# KiCad board panel.kicad_pcb (continued)
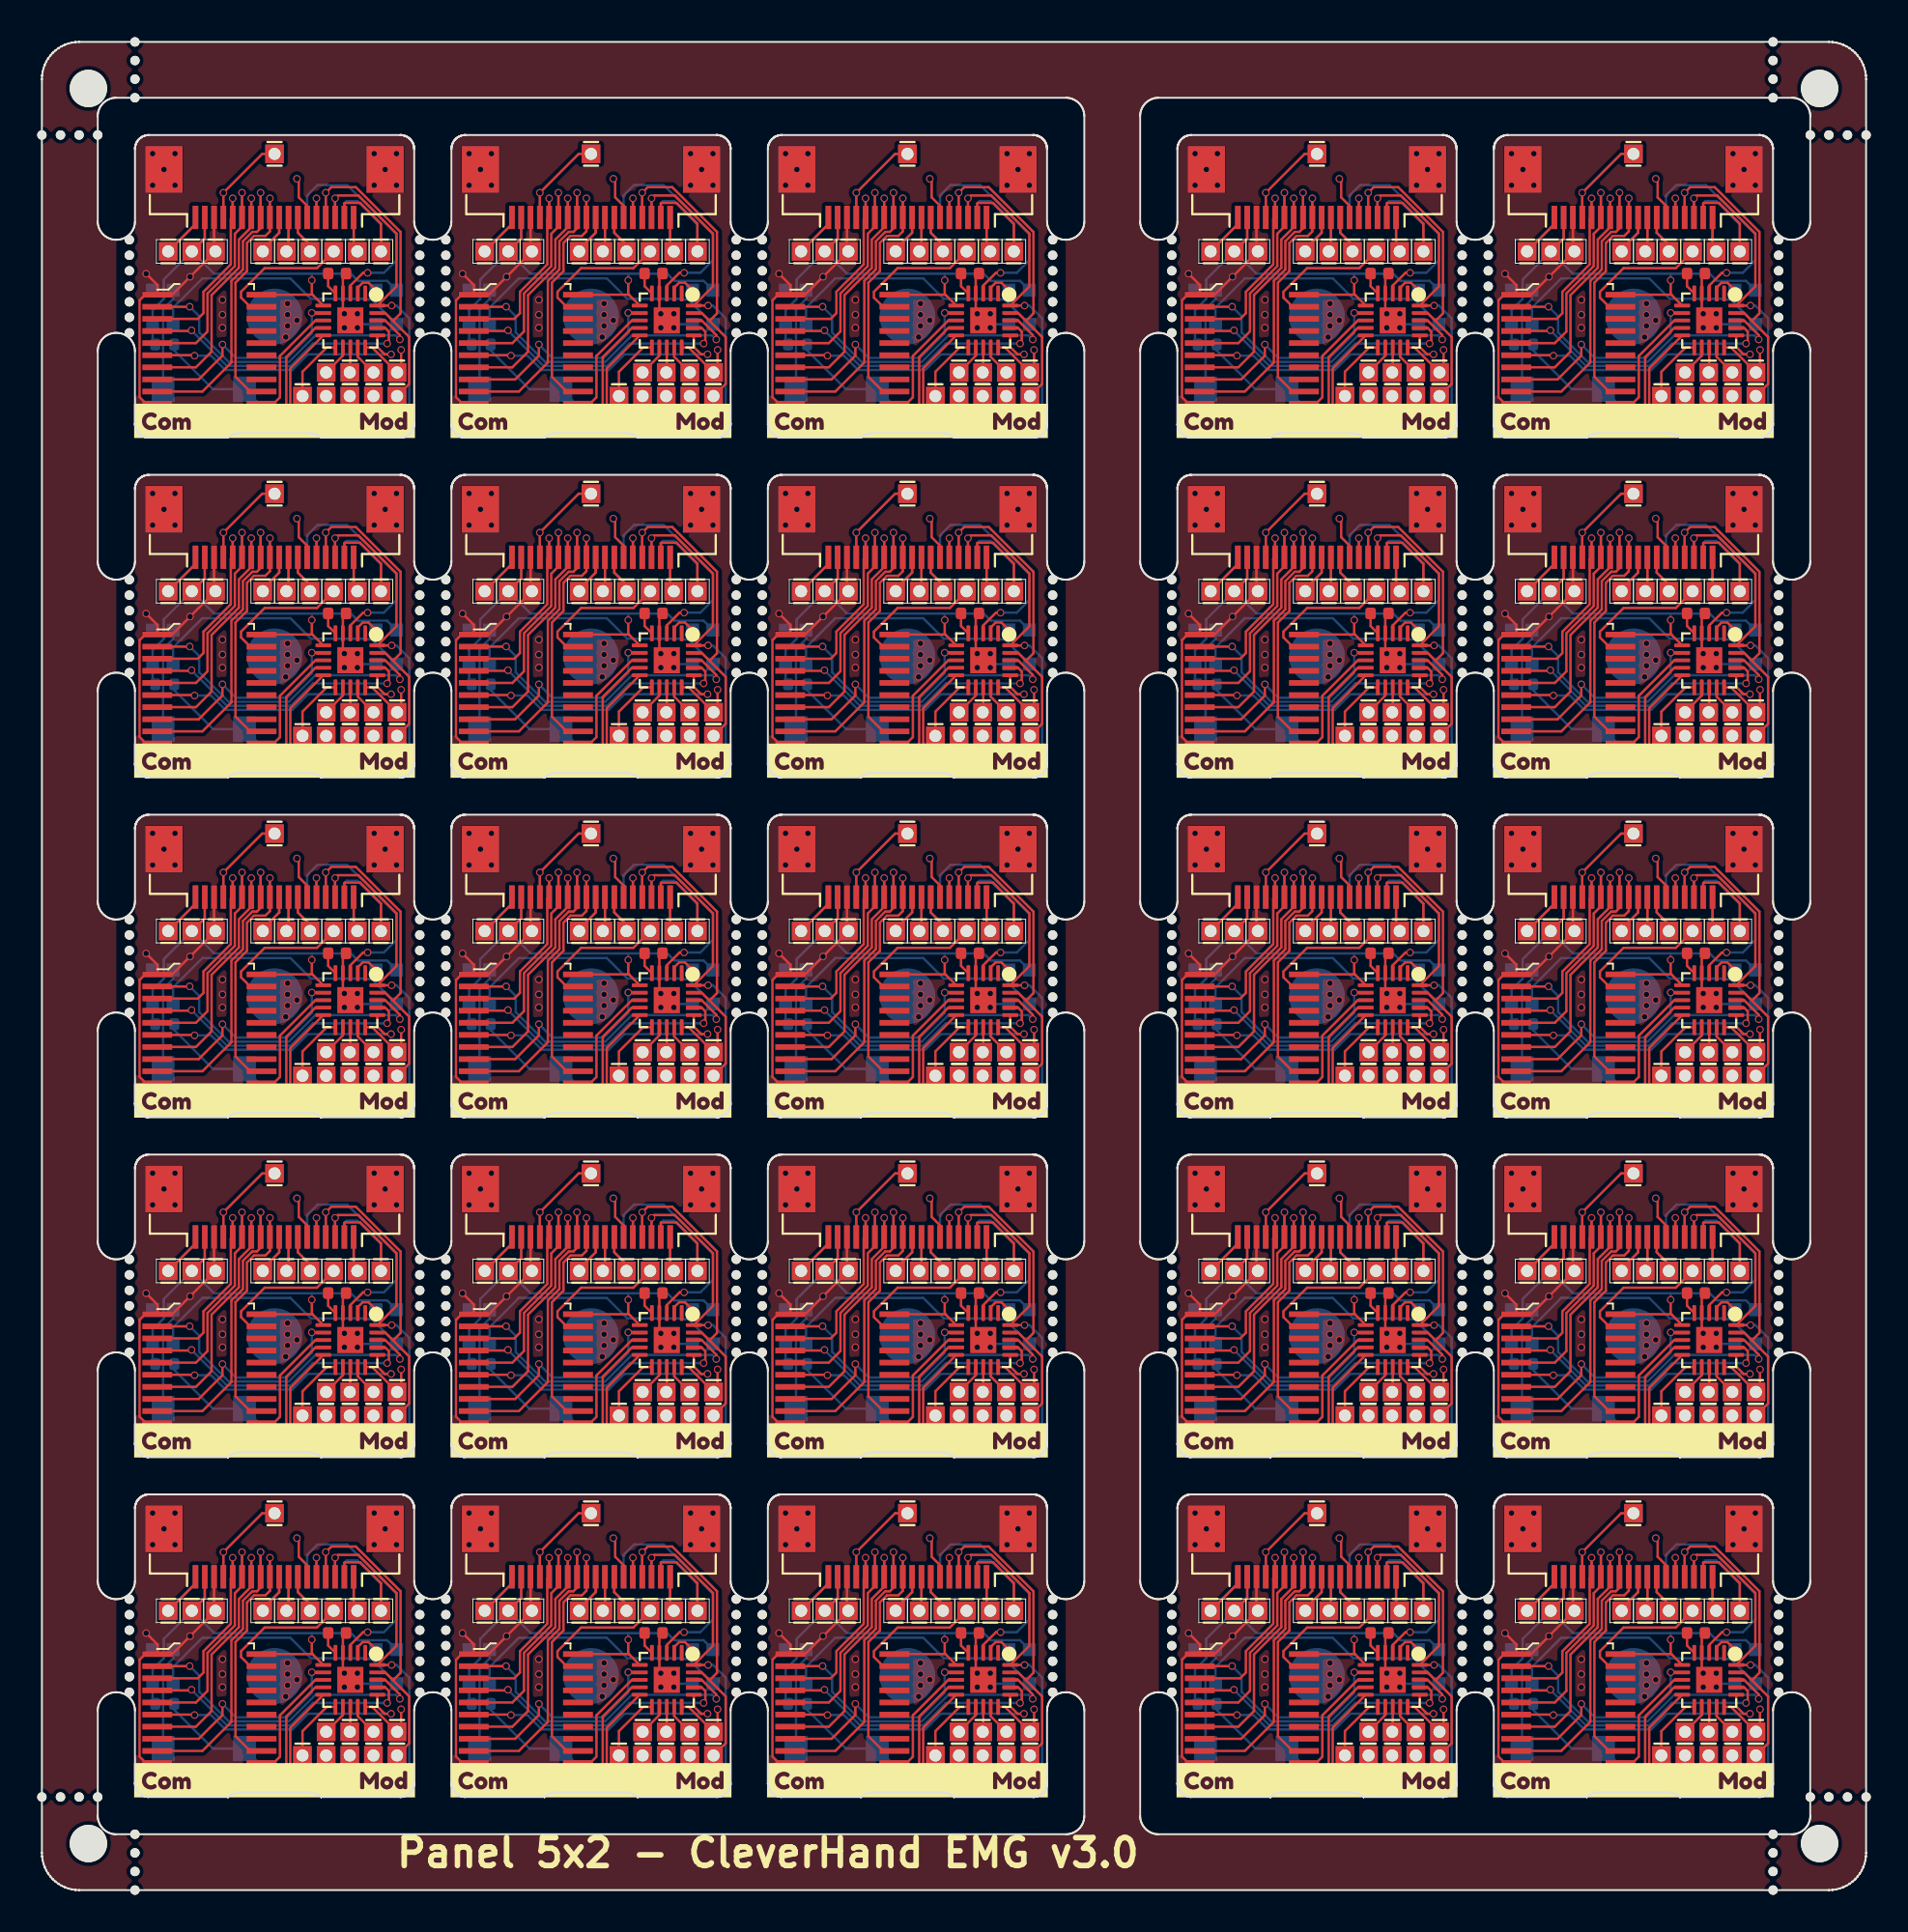
[diagram p0: board, top side]
## Routing (per net, layer and track width the routed paths; a pad name or vN(x,y) marks a point on that pad's centre or on a via; arc(x,y) is an arc through that point) (continued)
Board_5-/AUX2: length 9.4
  Front w0.127: J10#16.2 16.25,72.33 16.28,72.35 17.1,72.35 18.21,71.24 J20#3.1
  Back w0.127: J10#16.2 16.25,72.33 16.37,72.45 16.96,72.45 18.21,71.19 J20#3.1
Board_5-/AUX3: length 6.3
  Front w0.127: J3#16.1 11.84,74.99 v1(9.75,72.9) J10#16.15
  Back w0.127: v1(9.75,72.9) J10#16.15
Board_5-/CSB: length 7.5
  Front w0.127: J8#7.1 14.77,68.85 11.97,68.85 10.7,67.58 10.7,67.27 11.19,66.78 U2#5.19
Board_5-/extRef: length 3.8
  Front w0.127: J10#16.1 16.75,69.95 J9#11.1
  Back w0.127: J10#16.1 16.75,69.95 J9#11.1
Board_5-/GPIO: length 16.9
  Front w0.127: J21#6.1 14.62,61.33 13.36,61.33 13.35,61.34 13.35,63.47 U1#18.10
  Back w0.127: J21#6.1 14.62,61.33 11.91,61.33 SW1#6.1 9.19,62.35 7.11,64.43 R1#12.2
Board_5-/i2C_SCL: length 19.6
  Front w0.127: J10#16.3 v1(15.75,72.6) 15.9,72.75 17.01,72.75 19.05,70.71 19.05,67.87 U1#18.20 v1(18.79,66.84)
  Back w0.127: v1(15.75,72.6) J10#16.3 ; J16#2.1 18.46,61.33 19.73,61.33 19.73,66.16 19.05,66.84 v1(18.79,66.84)
Board_5-/I2C_SDA: length 18.4
  Front w0.127: U1#18.19 18.44,66.44 18.87,66.02 ; 18.87,66.02 19.27,66.42 19.27,70.8 16.86,73.2 15.55,73.2 v1(15.25,72.9) J10#16.4 ; 18.87,66.02 19.73,65.15 19.73,62.63 J17#10.1
  Back w0.127: v1(15.25,72.9) J10#16.4
Board_5-/IO1_in: length 12.2
  Front w0.127: U1#18.3 16.57,67.92 17.25,68.6 v1(17.5,68.6)
  Back w0.127: J4#2.13 14.25,72.75 14.81,73.31 16.4,73.31 19.05,70.66 19.05,69.28 18.37,68.6 v1(17.5,68.6)
Board_5-/IO1_out: length 19.7
  Front w0.127: v1(19.3,64.46) 19.3,63.47 J11#15.1 17.74,64.59 U1#18.15 ; v1(13.7,73.65) 13.8,73.55 13.8,72.65 14.25,72.2 J10#16.6
  In2.Cu w0.127: v1(13.7,73.65) 13.9,73.85 16.65,73.85 19.64,70.86 19.64,64.8 v1(19.3,64.46)
Board_5-/IO2: length 2.1
  Front w0.127: v1(14.75,72.6) J10#16.5
  Back w0.127: J10#16.5 v1(14.75,72.6)
Board_5-/LED_IN: length 1.6
  Front w0.127: U1#18.2 16.97,67.8 17.23,68.07 17.55,68.07 v1(17.95,67.67)
Board_5-/MISO: length 4.4
  Front w0.127: J10#16.9 12.75,70.75 11.87,69.87 J5#10.1
  Back w0.127: J10#16.9 12.75,70.75 11.87,69.87 J5#10.1
Board_5-/MOSI: length 3.7
  Front w0.127: J10#16.8 13.25,69.87 J6#18.1
  Back w0.127: J6#18.1 13.25,69.87 J10#16.8
Board_5-/MOSI_ARM: length 1.4
  Front w0.127: U1#18.13 16.57,63.28 J13#2.1
Board_5-/SCLK: length 4.2
  Front w0.127: J10#16.7 13.75,70.75 14.41,70.1 J7#24.1
  Back w0.127: J10#16.7 13.75,70.75 14.41,70.1 J7#24.1
Board_5-/SCLK_ARM: length 1.7
  Front w0.127: U1#18.12 16.17,64.15 J14#18.1
Board_5-/SPICS_ARM: length 9.3
  Front w0.127: J15#8.1 15.67,61.11 13.27,61.11 13.13,61.25 13.13,64.07 14.69,65.64 U1#18.9
Board_5-/SWDIO/MISO_ARM: length 1.7
  Front w0.127: U1#18.14 16.97,64.09 J12#24.1
Board_5-/Vcap: length 1.2
  Front w0.127: C1#7.2 15.38,67.88 U1#18.5
Board_5-GND: length 27.5
  Front w0.127: J10#16.16 9.25,69.83 J2.1 v1(7.96,68.39) 7,67.43 U2#5.1 ; U2#5.1 5.55,67.43 5.25,67.12 5.25,61.92 5.59,61.58 U2#5.10 ; U2#5.1 6.2,67.95 v1(5.6,68.55) ; U1#18.21 16.25,66.36 v1(16.25,66.4) 16.21,66.4 16.17,66.44 U1#18.4 16.17,68.39 C1#7.1
  Back w0.127: v1(7.96,68.39) 7.24,67.67 LED2#22.2 7.05,67.19 6.51,66.65 SW1#6.2 ; LED1#17.2 17.13,65.84 v1(16.95,65.65) 16.76,65.84 16.66,65.84 ; J2.1 9.25,69.83 J10#16.16
  vias: v1(5.95,75) v1(5.95,73.3) v1(6.56,74.15) v1(7.15,75) v1(7.15,73.3) v1(9.7,67.15) v1(9.7,66.35) v1(9.7,65.65) v1(13.1,65.15) v1(13.2,66.95) v1(13.2,66.35) v1(13.2,65.75) v1(13.7,66.05) v1(16.25,65.65) v1(16.95,66.4) v1(17.85,75) v1(17.85,73.3) v1(18.44,74.15) v1(19.05,75) v1(19.05,73.3)
Board_5-Net-(LED1-DO): length 14.6
  Back w0.127: LED2#22.3 7.05,66.73 8.62,68.3 13.35,68.3 14.45,67.2 17.45,67.2 17.48,67.16 17.72,67.16 LED1#17.1
Board_6-+3.3V: length 26.7
  Front w0.127: J10#20.17 25.75,70.45 J1#19.1 ; U2#18.20 31.53,67.43 31.55,67.41 ; 31.55,67.41 31.5,67.46 v1(31.5,68.2) ; 31.55,67.41 U1#2.6
  Back w0.127: J1#19.1 26.25,68.55 31.5,68.55 ; J1#19.1 25.75,70.45 J10#20.17 ; J1#19.1 23.55,68.24 23.55,67.2 22.95,66.6 LED2#16.4 22.95,64.89 R1#22.1 ; 31.5,68.55 33.6,68.55 33.98,68.17 35.55,68.17 LED1#20.4 ; 31.5,68.55 v1(31.5,68.2)
Board_6-/addr_bus_0: length 10.5
  Front w0.127: U2#18.3 25.37,66.13 25.68,66.43 25.68,67.58 27.15,69.05 27.15,71.48 J10#20.14 v1(27.25,72.6)
  Back w0.127: J10#20.14 v1(27.25,72.6)
Board_6-/addr_bus_1: length 12.5
  Front w0.127: U2#18.5 25.27,64.83 25.9,65.45 25.9,67.49 27.37,68.96 27.37,70.7 27.75,71.08 J10#20.13 v1(27.75,72.9)
  Back w0.127: J10#20.13 v1(27.75,72.9)
Board_6-/addr_bus_2: length 13.4
  Front w0.127: v1(28.25,72.6) J10#20.12 28.25,71.05 27.58,70.38 27.58,68.87 26.12,67.4 26.12,64.37 25.27,63.53 U2#18.7
  Back w0.127: J10#20.12 v1(28.25,72.6)
Board_6-/addr_bus_3: length 15.9
  Front w0.127: v1(28.75,72.9) J10#20.11 28.75,70.99 28.55,70.8 28.3,70.8 27.8,70.29 27.8,68.78 27.18,68.16 27.18,63.78 25.62,62.23 U2#18.9
  Back w0.127: J10#20.11 v1(28.75,72.9)
Board_6-/addr_bus_4: length 13.5
  Front w0.127: U2#18.12 28.19,62.23 27.4,63.02 27.4,68.07 28.02,68.69 28.02,70.2 28.39,70.58 29.01,70.58 29.25,70.82 J10#20.10 v1(29.25,72.6)
  Back w0.127: J10#20.10 v1(29.25,72.6)
Board_6-/addr_mod_0: length 17.2
  Front w0.127: U1#2.18 35.44,66.04 36.23,65.26 v1(36.23,65.02) ; U2#18.2 24.93,66.78 v1(24.94,66.78)
  Back w0.127: v1(24.94,66.78) 25.45,66.27 25.45,65.4 27.04,63.81 30.27,63.81 31.69,65.24 36.01,65.24 v1(36.23,65.02)
Board_6-/addr_mod_1: length 15
  Front w0.127: v1(25.04,65.51) 25,65.48 U2#18.4 ; U1#2.17 35.44,65.64 35.64,65.45 35.64,64.95 35.55,64.86 v1(35.55,64.8)
  Back w0.127: v1(25.04,65.51) 25.04,65.5 26.95,63.6 30.36,63.6 31.56,64.8 v1(35.55,64.8)
Board_6-/addr_mod_2: length 14.8
  Front w0.127: U2#18.6 25.17,64.18 v1(25.2,64.15) ; U1#2.16 35.02,64.62 35.42,64.22 v1(35.76,64.22)
  Back w0.127: v1(35.76,64.22) 31.29,64.22 30.45,63.38 26.86,63.38 26.09,64.15 v1(25.2,64.15)
Board_6-/addr_mod_3: length 12
  Front w0.127: U2#18.8 25.42,62.88 26.7,64.15 v1(26.7,64.75) ; U1#2.7 31.69,66.44 31.68,66.45 v1(31.5,66.45)
  Back w0.127: v1(26.7,64.75) 27.42,64.03 30.18,64.03 31.5,65.35 v1(31.5,66.45)
Board_6-/addr_mod_4: length 6.5
  Front w0.127: U2#18.11 29.45,61.58 29.79,61.92 29.79,64.14 31.69,66.04 U1#2.8
Board_6-/AIN0: length 3.6
  Front w0.127: J18#16.1 31,63.29 32.3,64.59 U1#2.11
Board_6-/AUX1: length 4.9
  Front w0.127: J10#20.18 25.25,71.22 J19#21.1
  Back w0.127: J19#21.1 25.25,71.22 J10#20.18
Board_6-/AUX2: length 9.4
  Front w0.127: J10#20.2 33.25,72.33 33.28,72.35 34.1,72.35 35.22,71.24 J20#13.1
  Back w0.127: J20#13.1 35.22,71.19 33.96,72.45 33.37,72.45 33.25,72.33 J10#20.2
Board_6-/AUX3: length 6.3
  Front w0.127: J10#20.15 v1(26.75,72.9) 28.84,74.99 J3#13.1
  Back w0.127: v1(26.75,72.9) J10#20.15
Board_6-/CSB: length 7.5
  Front w0.127: J8#8.1 31.77,68.85 28.97,68.85 27.7,67.58 27.7,67.27 28.19,66.78 U2#18.19
Board_6-/extRef: length 3.8
  Front w0.127: J10#20.1 33.75,69.95 J9#10.1
  Back w0.127: J9#10.1 33.75,69.95 J10#20.1
Board_6-/GPIO: length 16.9
  Front w0.127: U1#2.10 30.35,63.47 30.35,61.34 30.36,61.33 31.62,61.33 J21#24.1
  Back w0.127: R1#22.2 24.11,64.43 26.19,62.35 SW1#5.1 28.91,61.33 31.62,61.33 J21#24.1
Board_6-/i2C_SCL: length 19.6
  Front w0.127: v1(35.79,66.84) U1#2.20 36.05,67.87 36.05,70.71 34.01,72.75 32.9,72.75 v1(32.75,72.6) J10#20.3
  Back w0.127: v1(32.75,72.6) J10#20.3 ; J16#6.1 35.46,61.33 36.73,61.33 36.73,66.16 36.05,66.84 v1(35.79,66.84)
Board_6-/I2C_SDA: length 18.4
  Front w0.127: 35.87,66.02 36.73,65.15 36.73,62.63 J17#20.1 ; 35.87,66.02 35.44,66.44 U1#2.19 ; 35.87,66.02 36.27,66.42 36.27,70.8 33.86,73.2 32.55,73.2 v1(32.25,72.9) J10#20.4
  Back w0.127: v1(32.25,72.9) J10#20.4
Board_6-/IO1_in: length 12.2
  Front w0.127: v1(34.5,68.6) 34.25,68.6 33.57,67.92 U1#2.3
  Back w0.127: J4#6.13 31.25,72.75 31.81,73.31 33.4,73.31 36.05,70.66 36.05,69.28 35.37,68.6 v1(34.5,68.6)
Board_6-/IO1_out: length 19.7
  Front w0.127: J10#20.6 31.25,72.2 30.8,72.65 30.8,73.55 v1(30.7,73.65) ; v1(36.3,64.46) 36.3,63.47 J11#23.1 34.74,64.59 U1#2.15
  In2.Cu w0.127: v1(36.3,64.46) 36.64,64.8 36.64,70.86 33.65,73.85 30.9,73.85 v1(30.7,73.65)
Board_6-/IO2: length 2.1
  Front w0.127: v1(31.75,72.6) J10#20.5
  Back w0.127: J10#20.5 v1(31.75,72.6)
Board_6-/LED_IN: length 1.6
  Front w0.127: v1(34.95,67.67) 34.55,68.07 34.23,68.07 33.97,67.8 U1#2.2
Board_6-/MISO: length 4.4
  Front w0.127: J5#22.1 28.86,69.87 29.75,70.75 J10#20.9
  Back w0.127: J10#20.9 29.75,70.75 28.86,69.87 J5#22.1
Board_6-/MOSI: length 3.7
  Front w0.127: J6#25.1 30.25,69.87 J10#20.8
  Back w0.127: J6#25.1 30.25,69.87 J10#20.8
Board_6-/MOSI_ARM: length 1.4
  Front w0.127: J13#14.1 33.57,63.28 U1#2.13
Board_6-/SCLK: length 4.2
  Front w0.127: J10#20.7 30.75,70.75 31.41,70.1 J7#25.1
  Back w0.127: J10#20.7 30.75,70.75 31.41,70.1 J7#25.1
Board_6-/SCLK_ARM: length 1.7
  Front w0.127: U1#2.12 33.17,64.15 J14.1
Board_6-/SPICS_ARM: length 9.3
  Front w0.127: J15#5.1 32.67,61.11 30.27,61.11 30.13,61.25 30.13,64.07 31.69,65.64 U1#2.9
Board_6-/SWDIO/MISO_ARM: length 1.7
  Front w0.127: J12#20.1 33.97,64.09 U1#2.14
Board_6-/Vcap: length 1.2
  Front w0.127: U1#2.5 32.38,67.88 C1#20.2
Board_6-GND: length 27.5
  Front w0.127: C1#20.1 33.17,68.39 U1#2.4 33.17,66.44 33.21,66.4 v1(33.25,66.4) 33.25,66.36 U1#2.21 ; J10#20.16 26.25,69.83 J2#12.1 v1(24.96,68.39) 24,67.43 U2#18.1 ; U2#18.1 22.55,67.43 22.25,67.12 22.25,61.92 22.59,61.58 U2#18.10 ; U2#18.1 23.2,67.95 v1(22.6,68.55)
  Back w0.127: v1(24.96,68.39) 24.24,67.67 LED2#16.2 24.05,67.19 23.51,66.65 SW1#5.2 ; 33.66,65.84 33.76,65.84 v1(33.95,65.65) 34.13,65.84 LED1#20.2 ; J2#12.1 26.25,69.83 J10#20.16
  vias: v1(22.95,75) v1(22.95,73.3) v1(23.56,74.15) v1(24.15,75) v1(24.15,73.3) v1(26.7,67.15) v1(26.7,66.35) v1(26.7,65.65) v1(30.1,65.15) v1(30.2,66.95) v1(30.2,66.35) v1(30.2,65.75) v1(30.7,66.05) v1(33.25,65.65) v1(33.95,66.4) v1(34.85,75) v1(34.85,73.3) v1(35.44,74.15) v1(36.05,75) v1(36.05,73.3)
Board_6-Net-(LED1-DO): length 14.6
  Back w0.127: LED1#20.1 34.72,67.16 34.48,67.16 34.45,67.2 31.45,67.2 30.35,68.3 25.62,68.3 24.05,66.73 LED2#16.3
Board_7-+3.3V: length 26.7
  Front w0.127: J10#13.17 42.75,70.45 J1#20.1 ; 48.55,67.41 48.53,67.43 U2#23.20 ; 48.55,67.41 48.5,67.46 v1(48.5,68.2) ; 48.55,67.41 U1#9.6
  Back w0.127: J10#13.17 42.75,70.45 J1#20.1 ; J1#20.1 43.26,68.55 48.5,68.55 ; J1#20.1 40.55,68.24 40.55,67.2 39.95,66.6 LED2#6.4 39.95,64.89 R1#10.1 ; 48.5,68.55 50.6,68.55 50.98,68.17 52.55,68.17 LED1#4.4 ; 48.5,68.55 v1(48.5,68.2)
Board_7-/addr_bus_0: length 10.5
  Front w0.127: U2#23.3 42.37,66.13 42.68,66.43 42.68,67.58 44.15,69.05 44.15,71.48 J10#13.14 v1(44.25,72.6)
  Back w0.127: J10#13.14 v1(44.25,72.6)
Board_7-/addr_bus_1: length 12.5
  Front w0.127: v1(44.75,72.9) J10#13.13 44.75,71.08 44.37,70.7 44.37,68.96 42.9,67.49 42.9,65.45 42.27,64.83 U2#23.5
  Back w0.127: J10#13.13 v1(44.75,72.9)
Board_7-/addr_bus_2: length 13.4
  Front w0.127: v1(45.25,72.6) J10#13.12 45.25,71.05 44.58,70.38 44.58,68.87 43.12,67.4 43.12,64.37 42.27,63.53 U2#23.7
  Back w0.127: J10#13.12 v1(45.25,72.6)
Board_7-/addr_bus_3: length 15.9
  Front w0.127: v1(45.75,72.9) J10#13.11 45.75,70.99 45.55,70.8 45.3,70.8 44.8,70.29 44.8,68.78 44.18,68.16 44.18,63.78 42.62,62.23 U2#23.9
  Back w0.127: J10#13.11 v1(45.75,72.9)
Board_7-/addr_bus_4: length 13.5
  Front w0.127: U2#23.12 45.19,62.23 44.4,63.02 44.4,68.07 45.02,68.69 45.02,70.2 45.39,70.58 46.01,70.58 46.25,70.82 J10#13.10 v1(46.25,72.6)
  Back w0.127: J10#13.10 v1(46.25,72.6)
Board_7-/addr_mod_0: length 17.2
  Front w0.127: U2#23.2 41.93,66.78 v1(41.94,66.78) ; U1#9.18 52.44,66.04 53.23,65.26 v1(53.23,65.02)
  Back w0.127: v1(41.94,66.78) 42.45,66.27 42.45,65.4 44.04,63.81 47.27,63.81 48.69,65.24 53.01,65.24 v1(53.23,65.02)
Board_7-/addr_mod_1: length 15
  Front w0.127: v1(52.55,64.8) 52.55,64.86 52.64,64.95 52.64,65.45 52.44,65.64 U1#9.17 ; v1(42.04,65.51) 42,65.48 U2#23.4
  Back w0.127: v1(42.04,65.51) 42.04,65.5 43.95,63.6 47.36,63.6 48.56,64.8 v1(52.55,64.8)
Board_7-/addr_mod_2: length 14.8
  Front w0.127: v1(42.2,64.15) 42.17,64.18 U2#23.6 ; v1(52.76,64.22) 52.42,64.22 52.02,64.62 U1#9.16
  Back w0.127: v1(52.76,64.22) 48.29,64.22 47.45,63.38 43.86,63.38 43.09,64.15 v1(42.2,64.15)
Board_7-/addr_mod_3: length 12
  Front w0.127: v1(43.7,64.75) 43.7,64.15 42.42,62.88 U2#23.8 ; v1(48.5,66.45) 48.68,66.45 48.69,66.44 U1#9.7
  Back w0.127: v1(48.5,66.45) 48.5,65.35 47.18,64.03 44.42,64.03 v1(43.7,64.75)
Board_7-/addr_mod_4: length 6.5
  Front w0.127: U1#9.8 48.69,66.04 46.79,64.14 46.79,61.92 46.45,61.58 U2#23.11
Board_7-/AIN0: length 3.6
  Front w0.127: U1#9.11 49.3,64.59 48,63.29 J18.1
Board_7-/AUX1: length 4.9
  Front w0.127: J10#13.18 42.25,71.22 J19#2.1
  Back w0.127: J10#13.18 42.25,71.22 J19#2.1
Board_7-/AUX2: length 9.4
  Front w0.127: J20#12.1 52.22,71.24 51.1,72.35 50.28,72.35 50.25,72.33 J10#13.2
  Back w0.127: J20#12.1 52.22,71.19 50.96,72.45 50.37,72.45 50.25,72.33 J10#13.2
Board_7-/AUX3: length 6.3
  Front w0.127: J3#14.1 45.84,74.99 v1(43.75,72.9) J10#13.15
  Back w0.127: v1(43.75,72.9) J10#13.15
Board_7-/CSB: length 7.5
  Front w0.127: J8#15.1 48.77,68.85 45.97,68.85 44.7,67.58 44.7,67.27 45.19,66.78 U2#23.19
Board_7-/extRef: length 3.8
  Front w0.127: J10#13.1 50.75,69.95 J9#3.1
  Back w0.127: J9#3.1 50.75,69.95 J10#13.1
Board_7-/GPIO: length 16.9
  Front w0.127: U1#9.10 47.35,63.47 47.35,61.34 47.36,61.33 48.62,61.33 J21#13.1
  Back w0.127: R1#10.2 41.11,64.43 43.19,62.35 SW1#24.1 45.91,61.33 48.62,61.33 J21#13.1
Board_7-/i2C_SCL: length 19.6
  Front w0.127: v1(52.79,66.84) U1#9.20 53.05,67.87 53.05,70.71 51.01,72.75 49.9,72.75 v1(49.75,72.6) J10#13.3
  Back w0.127: v1(49.75,72.6) J10#13.3 ; J16#15.1 52.46,61.33 53.73,61.33 53.73,66.16 53.05,66.84 v1(52.79,66.84)
Board_7-/I2C_SDA: length 18.4
  Front w0.127: 52.87,66.02 52.44,66.44 U1#9.19 ; 52.87,66.02 53.27,66.42 53.27,70.8 50.86,73.2 49.55,73.2 v1(49.25,72.9) J10#13.4 ; 52.87,66.02 53.73,65.15 53.73,62.63 J17#14.1
  Back w0.127: v1(49.25,72.9) J10#13.4
Board_7-/IO1_in: length 12.2
  Front w0.127: U1#9.3 50.57,67.92 51.25,68.6 v1(51.5,68.6)
  Back w0.127: J4#15.13 48.25,72.75 48.81,73.31 50.4,73.31 53.05,70.66 53.05,69.28 52.37,68.6 v1(51.5,68.6)
Board_7-/IO1_out: length 19.7
  Front w0.127: J10#13.6 48.25,72.2 47.8,72.65 47.8,73.55 v1(47.7,73.65) ; v1(53.3,64.46) 53.3,63.47 J11#20.1 51.74,64.59 U1#9.15
  In2.Cu w0.127: v1(47.7,73.65) 47.9,73.85 50.65,73.85 53.64,70.86 53.64,64.8 v1(53.3,64.46)
Board_7-/IO2: length 2.1
  Front w0.127: v1(48.75,72.6) J10#13.5
  Back w0.127: J10#13.5 v1(48.75,72.6)
Board_7-/LED_IN: length 1.6
  Front w0.127: v1(51.95,67.67) 51.55,68.07 51.23,68.07 50.97,67.8 U1#9.2
Board_7-/MISO: length 4.4
  Front w0.127: J10#13.9 46.75,70.75 45.87,69.87 J5#2.1
  Back w0.127: J5#2.1 45.87,69.87 46.75,70.75 J10#13.9
Board_7-/MOSI: length 3.7
  Front w0.127: J6#16.1 47.25,69.87 J10#13.8
  Back w0.127: J6#16.1 47.25,69.87 J10#13.8
Board_7-/MOSI_ARM: length 1.4
  Front w0.127: J13#6.1 50.57,63.28 U1#9.13
Board_7-/SCLK: length 4.2
  Front w0.127: J10#13.7 47.75,70.75 48.41,70.1 J7#4.1
  Back w0.127: J10#13.7 47.75,70.75 48.41,70.1 J7#4.1
Board_7-/SCLK_ARM: length 1.7
  Front w0.127: J14#12.1 50.17,64.15 U1#9.12
Board_7-/SPICS_ARM: length 9.3
  Front w0.127: J15#15.1 49.67,61.11 47.27,61.11 47.13,61.25 47.13,64.07 48.69,65.64 U1#9.9
Board_7-/SWDIO/MISO_ARM: length 1.7
  Front w0.127: J12#10.1 50.97,64.09 U1#9.14
Board_7-/Vcap: length 1.2
  Front w0.127: C1#11.2 49.38,67.88 U1#9.5
Board_7-GND: length 27.5
  Front w0.127: U2#23.1 40.2,67.95 v1(39.6,68.55) ; U2#23.1 39.55,67.43 39.25,67.12 39.25,61.92 39.59,61.58 U2#23.10 ; U2#23.1 41,67.43 v1(41.96,68.39) J2#20.1 43.25,69.83 J10#13.16 ; U1#9.21 50.25,66.36 v1(50.25,66.4) 50.21,66.4 50.17,66.44 U1#9.4 50.17,68.39 C1#11.1
  Back w0.127: J10#13.16 43.25,69.83 J2#20.1 ; v1(41.96,68.39) 41.24,67.67 LED2#6.2 41.05,67.19 40.51,66.65 SW1#24.2 ; 50.66,65.84 50.76,65.84 v1(50.95,65.65) 51.13,65.84 LED1#4.2
  vias: v1(39.95,75) v1(39.95,73.3) v1(40.56,74.15) v1(41.15,75) v1(41.15,73.3) v1(43.7,67.15) v1(43.7,66.35) v1(43.7,65.65) v1(47.1,65.15) v1(47.2,66.95) v1(47.2,66.35) v1(47.2,65.75) v1(47.7,66.05) v1(50.25,65.65) v1(50.95,66.4) v1(51.85,75) v1(51.85,73.3) v1(52.44,74.15) v1(53.05,75) v1(53.05,73.3)
Board_7-Net-(LED1-DO): length 14.6
  Back w0.127: LED1#4.1 51.72,67.16 51.48,67.16 51.45,67.2 48.45,67.2 47.35,68.3 42.62,68.3 41.05,66.73 LED2#6.3
Board_8-+3.3V: length 26.7
  Front w0.127: J10#5.17 64.75,70.45 J1#2.1 ; U1#15.6 70.55,67.41 ; 70.55,67.41 70.5,67.46 v1(70.5,68.2) ; 70.55,67.41 70.53,67.43 U2#25.20
  Back w0.127: J1#2.1 64.75,70.45 J10#5.17 ; J1#2.1 65.25,68.55 70.5,68.55 ; J1#2.1 62.55,68.24 62.55,67.2 61.95,66.6 LED2#13.4 61.95,64.89 R1#2.1 ; 70.5,68.55 v1(70.5,68.2) ; 70.5,68.55 72.6,68.55 72.98,68.17 74.55,68.17 LED1#16.4
Board_8-/addr_bus_0: length 10.5
  Front w0.127: U2#25.3 64.37,66.13 64.68,66.43 64.68,67.58 66.15,69.05 66.15,71.48 J10#5.14 v1(66.25,72.6)
  Back w0.127: J10#5.14 v1(66.25,72.6)
Board_8-/addr_bus_1: length 12.5
  Front w0.127: v1(66.75,72.9) J10#5.13 66.75,71.08 66.37,70.7 66.37,68.96 64.9,67.49 64.9,65.45 64.27,64.83 U2#25.5
  Back w0.127: J10#5.13 v1(66.75,72.9)
Board_8-/addr_bus_2: length 13.4
  Front w0.127: U2#25.7 64.27,63.53 65.12,64.37 65.12,67.4 66.58,68.87 66.58,70.38 67.25,71.05 J10#5.12 v1(67.25,72.6)
  Back w0.127: J10#5.12 v1(67.25,72.6)
Board_8-/addr_bus_3: length 15.9
  Front w0.127: U2#25.9 64.62,62.23 66.18,63.78 66.18,68.16 66.8,68.78 66.8,70.29 67.3,70.8 67.55,70.8 67.75,70.99 J10#5.11 v1(67.75,72.9)
  Back w0.127: J10#5.11 v1(67.75,72.9)
Board_8-/addr_bus_4: length 13.5
  Front w0.127: v1(68.25,72.6) J10#5.10 68.25,70.82 68.01,70.58 67.39,70.58 67.02,70.2 67.02,68.69 66.4,68.07 66.4,63.02 67.19,62.23 U2#25.12
  Back w0.127: J10#5.10 v1(68.25,72.6)
Board_8-/addr_mod_0: length 17.2
  Front w0.127: v1(75.23,65.02) 75.23,65.26 74.44,66.04 U1#15.18 ; v1(63.94,66.78) 63.93,66.78 U2#25.2
  Back w0.127: v1(75.23,65.02) 75.01,65.24 70.69,65.24 69.27,63.81 66.04,63.81 64.45,65.4 64.45,66.27 v1(63.94,66.78)
Board_8-/addr_mod_1: length 15
  Front w0.127: U1#15.17 74.44,65.64 74.64,65.45 74.64,64.95 74.55,64.86 v1(74.55,64.8) ; v1(64.04,65.51) 64,65.48 U2#25.4
  Back w0.127: v1(74.55,64.8) 70.56,64.8 69.36,63.6 65.95,63.6 64.04,65.5 v1(64.04,65.51)
Board_8-/addr_mod_2: length 14.8
  Front w0.127: U1#15.16 74.02,64.62 74.42,64.22 v1(74.76,64.22) ; v1(64.2,64.15) 64.17,64.18 U2#25.6
  Back w0.127: v1(64.2,64.15) 65.09,64.15 65.86,63.38 69.45,63.38 70.29,64.22 v1(74.76,64.22)
Board_8-/addr_mod_3: length 12
  Front w0.127: U1#15.7 70.69,66.44 70.68,66.45 v1(70.5,66.45) ; U2#25.8 64.42,62.88 65.7,64.15 v1(65.7,64.75)
  Back w0.127: v1(65.7,64.75) 66.42,64.03 69.18,64.03 70.5,65.35 v1(70.5,66.45)
Board_8-/addr_mod_4: length 6.5
  Front w0.127: U2#25.11 68.45,61.58 68.79,61.92 68.79,64.14 70.69,66.04 U1#15.8
Board_8-/AIN0: length 3.6
  Front w0.127: J18#19.1 70,63.29 71.3,64.59 U1#15.11
Board_8-/AUX1: length 4.9
  Front w0.127: J10#5.18 64.25,71.22 J19#6.1
  Back w0.127: J19#6.1 64.25,71.22 J10#5.18
Board_8-/AUX2: length 9.4
  Front w0.127: J10#5.2 72.25,72.33 72.28,72.35 73.1,72.35 74.22,71.24 J20#15.1
  Back w0.127: J10#5.2 72.25,72.33 72.37,72.45 72.96,72.45 74.22,71.19 J20#15.1
Board_8-/AUX3: length 6.3
  Front w0.127: J10#5.15 v1(65.75,72.9) 67.84,74.99 J3#20.1
  Back w0.127: v1(65.75,72.9) J10#5.15
Board_8-/CSB: length 7.5
  Front w0.127: U2#25.19 67.19,66.78 66.7,67.27 66.7,67.58 67.97,68.85 70.78,68.85 J8#9.1
Board_8-/extRef: length 3.8
  Front w0.127: J9.1 72.75,69.95 J10#5.1
  Back w0.127: J9.1 72.75,69.95 J10#5.1
Board_8-/GPIO: length 16.9
  Front w0.127: J21#22.1 70.62,61.33 69.36,61.33 69.35,61.34 69.35,63.47 U1#15.10
  Back w0.127: R1#2.2 63.11,64.43 65.19,62.35 SW1#10.1 67.91,61.33 70.62,61.33 J21#22.1
Board_8-/i2C_SCL: length 19.6
  Front w0.127: v1(74.79,66.84) U1#15.20 75.05,67.87 75.05,70.71 73.01,72.75 71.9,72.75 v1(71.75,72.6) J10#5.3
  Back w0.127: J16#18.1 74.46,61.33 75.73,61.33 75.73,66.16 75.05,66.84 v1(74.79,66.84) ; v1(71.75,72.6) J10#5.3
Board_8-/I2C_SDA: length 18.4
  Front w0.127: J17#17.1 75.73,62.63 75.73,65.15 74.87,66.02 ; 74.87,66.02 74.44,66.44 U1#15.19 ; 74.87,66.02 75.27,66.42 75.27,70.8 72.86,73.2 71.55,73.2 v1(71.25,72.9) J10#5.4
  Back w0.127: v1(71.25,72.9) J10#5.4
Board_8-/IO1_in: length 12.2
  Front w0.127: v1(73.5,68.6) 73.25,68.6 72.57,67.92 U1#15.3
  Back w0.127: J4#16.13 70.25,72.75 70.81,73.31 72.4,73.31 75.05,70.66 75.05,69.28 74.37,68.6 v1(73.5,68.6)
Board_8-/IO1_out: length 19.7
  Front w0.127: v1(75.3,64.46) 75.3,63.47 J11.1 73.74,64.59 U1#15.15 ; J10#5.6 70.25,72.2 69.8,72.65 69.8,73.55 v1(69.7,73.65)
  In2.Cu w0.127: v1(69.7,73.65) 69.9,73.85 72.65,73.85 75.64,70.86 75.64,64.8 v1(75.3,64.46)
Board_8-/IO2: length 2.1
  Front w0.127: v1(70.75,72.6) J10#5.5
  Back w0.127: J10#5.5 v1(70.75,72.6)
Board_8-/LED_IN: length 1.6
  Front w0.127: v1(73.95,67.67) 73.55,68.07 73.23,68.07 72.97,67.8 U1#15.2
Board_8-/MISO: length 4.4
  Front w0.127: J10#5.9 68.75,70.75 67.86,69.87 J5#5.1
  Back w0.127: J10#5.9 68.75,70.75 67.86,69.87 J5#5.1
Board_8-/MOSI: length 3.7
  Front w0.127: J10#5.8 69.25,69.87 J6#20.1
  Back w0.127: J10#5.8 69.25,69.87 J6#20.1
Board_8-/MOSI_ARM: length 1.4
  Front w0.127: J13#18.1 72.57,63.28 U1#15.13
Board_8-/SCLK: length 4.2
  Front w0.127: J10#5.7 69.75,70.75 70.41,70.1 J7#6.1
  Back w0.127: J7#6.1 70.41,70.1 69.75,70.75 J10#5.7
Board_8-/SCLK_ARM: length 1.7
  Front w0.127: U1#15.12 72.17,64.15 J14#8.1
Board_8-/SPICS_ARM: length 9.3
  Front w0.127: U1#15.9 70.69,65.64 69.13,64.07 69.13,61.25 69.27,61.11 71.67,61.11 J15#3.1
Board_8-/SWDIO/MISO_ARM: length 1.7
  Front w0.127: U1#15.14 72.97,64.09 J12.1
Board_8-/Vcap: length 1.2
  Front w0.127: U1#15.5 71.38,67.88 C1#21.2
Board_8-GND: length 27.5
  Front w0.127: U2#25.1 62.2,67.95 v1(61.6,68.55) ; U2#25.1 61.55,67.43 61.25,67.12 61.25,61.92 61.59,61.58 U2#25.10 ; U2#25.1 63,67.43 v1(63.96,68.39) J2#14.1 65.25,69.83 J10#5.16 ; C1#21.1 72.17,68.39 U1#15.4 72.17,66.44 72.21,66.4 v1(72.25,66.4) 72.25,66.36 U1#15.21
  Back w0.127: SW1#10.2 62.51,66.65 63.05,67.19 LED2#13.2 63.24,67.67 v1(63.96,68.39) ; J10#5.16 65.25,69.83 J2#14.1 ; 72.66,65.84 72.76,65.84 v1(72.95,65.65) 73.13,65.84 LED1#16.2
  vias: v1(61.95,75) v1(61.95,73.3) v1(62.56,74.15) v1(63.15,75) v1(63.15,73.3) v1(65.7,67.15) v1(65.7,66.35) v1(65.7,65.65) v1(69.1,65.15) v1(69.2,66.95) v1(69.2,66.35) v1(69.2,65.75) v1(69.7,66.05) v1(72.25,65.65) v1(72.95,66.4) v1(73.85,75) v1(73.85,73.3) v1(74.44,74.15) v1(75.05,75) v1(75.05,73.3)
Board_8-Net-(LED1-DO): length 14.6
  Back w0.127: LED1#16.1 73.72,67.16 73.48,67.16 73.45,67.2 70.45,67.2 69.35,68.3 64.62,68.3 63.05,66.73 LED2#13.3
Board_9-+3.3V: length 26.7
  Front w0.127: J10#17.17 81.75,70.45 J1#11.1 ; U2#9.20 87.53,67.43 87.55,67.41 ; 87.55,67.41 87.5,67.46 v1(87.5,68.2) ; 87.55,67.41 U1#14.6
  Back w0.127: J1#11.1 82.25,68.55 87.5,68.55 ; J1#11.1 79.55,68.24 79.55,67.2 78.95,66.6 LED2#4.4 78.95,64.89 R1#9.1 ; J1#11.1 81.75,70.45 J10#17.17 ; 87.5,68.55 v1(87.5,68.2) ; 87.5,68.55 89.6,68.55 89.98,68.17 91.55,68.17 LED1#15.4
Board_9-/addr_bus_0: length 10.5
  Front w0.127: U2#9.3 81.37,66.13 81.68,66.43 81.68,67.58 83.15,69.05 83.15,71.48 J10#17.14 v1(83.25,72.6)
  Back w0.127: J10#17.14 v1(83.25,72.6)
Board_9-/addr_bus_1: length 12.5
  Front w0.127: v1(83.75,72.9) J10#17.13 83.75,71.08 83.37,70.7 83.37,68.96 81.9,67.49 81.9,65.45 81.27,64.83 U2#9.5
  Back w0.127: J10#17.13 v1(83.75,72.9)
Board_9-/addr_bus_2: length 13.4
  Front w0.127: v1(84.25,72.6) J10#17.12 84.25,71.05 83.58,70.38 83.58,68.87 82.12,67.4 82.12,64.37 81.27,63.53 U2#9.7
  Back w0.127: J10#17.12 v1(84.25,72.6)
Board_9-/addr_bus_3: length 15.9
  Front w0.127: v1(84.75,72.9) J10#17.11 84.75,70.99 84.55,70.8 84.3,70.8 83.8,70.29 83.8,68.78 83.18,68.16 83.18,63.78 81.62,62.23 U2#9.9
  Back w0.127: J10#17.11 v1(84.75,72.9)
Board_9-/addr_bus_4: length 13.5
  Front w0.127: v1(85.25,72.6) J10#17.10 85.25,70.82 85.01,70.58 84.39,70.58 84.02,70.2 84.02,68.69 83.4,68.07 83.4,63.02 84.19,62.23 U2#9.12
  Back w0.127: J10#17.10 v1(85.25,72.6)
Board_9-/addr_mod_0: length 17.2
  Front w0.127: v1(80.94,66.78) 80.93,66.78 U2#9.2 ; v1(92.23,65.02) 92.23,65.26 91.44,66.04 U1#14.18
  Back w0.127: v1(92.23,65.02) 92.01,65.24 87.69,65.24 86.27,63.81 83.04,63.81 81.45,65.4 81.45,66.27 v1(80.94,66.78)
Board_9-/addr_mod_1: length 15
  Front w0.127: v1(91.55,64.8) 91.55,64.86 91.64,64.95 91.64,65.45 91.44,65.64 U1#14.17 ; v1(81.04,65.51) 81,65.48 U2#9.4
  Back w0.127: v1(81.04,65.51) 81.04,65.5 82.95,63.6 86.36,63.6 87.56,64.8 v1(91.55,64.8)
Board_9-/addr_mod_2: length 14.8
  Front w0.127: U1#14.16 91.02,64.62 91.42,64.22 v1(91.76,64.22) ; v1(81.2,64.15) 81.17,64.18 U2#9.6
  Back w0.127: v1(91.76,64.22) 87.29,64.22 86.45,63.38 82.86,63.38 82.09,64.15 v1(81.2,64.15)
Board_9-/addr_mod_3: length 12
  Front w0.127: v1(87.5,66.45) 87.68,66.45 87.69,66.44 U1#14.7 ; v1(82.7,64.75) 82.7,64.15 81.42,62.88 U2#9.8
  Back w0.127: v1(82.7,64.75) 83.42,64.03 86.18,64.03 87.5,65.35 v1(87.5,66.45)